# Altium PCB Mother  Board.PcbDoc (part 1 of 4)
Units mil, origin at the board's own origin, x right, y up, seen from the top; angles counter-clockwise.
Board outline 4560 x 3740 mil, 4 copper layers (Signal 1, GND, Power, Signal 2), stack 47.091 mil thick; 315 components, 464 nets, 1661 pads, 728 vias.
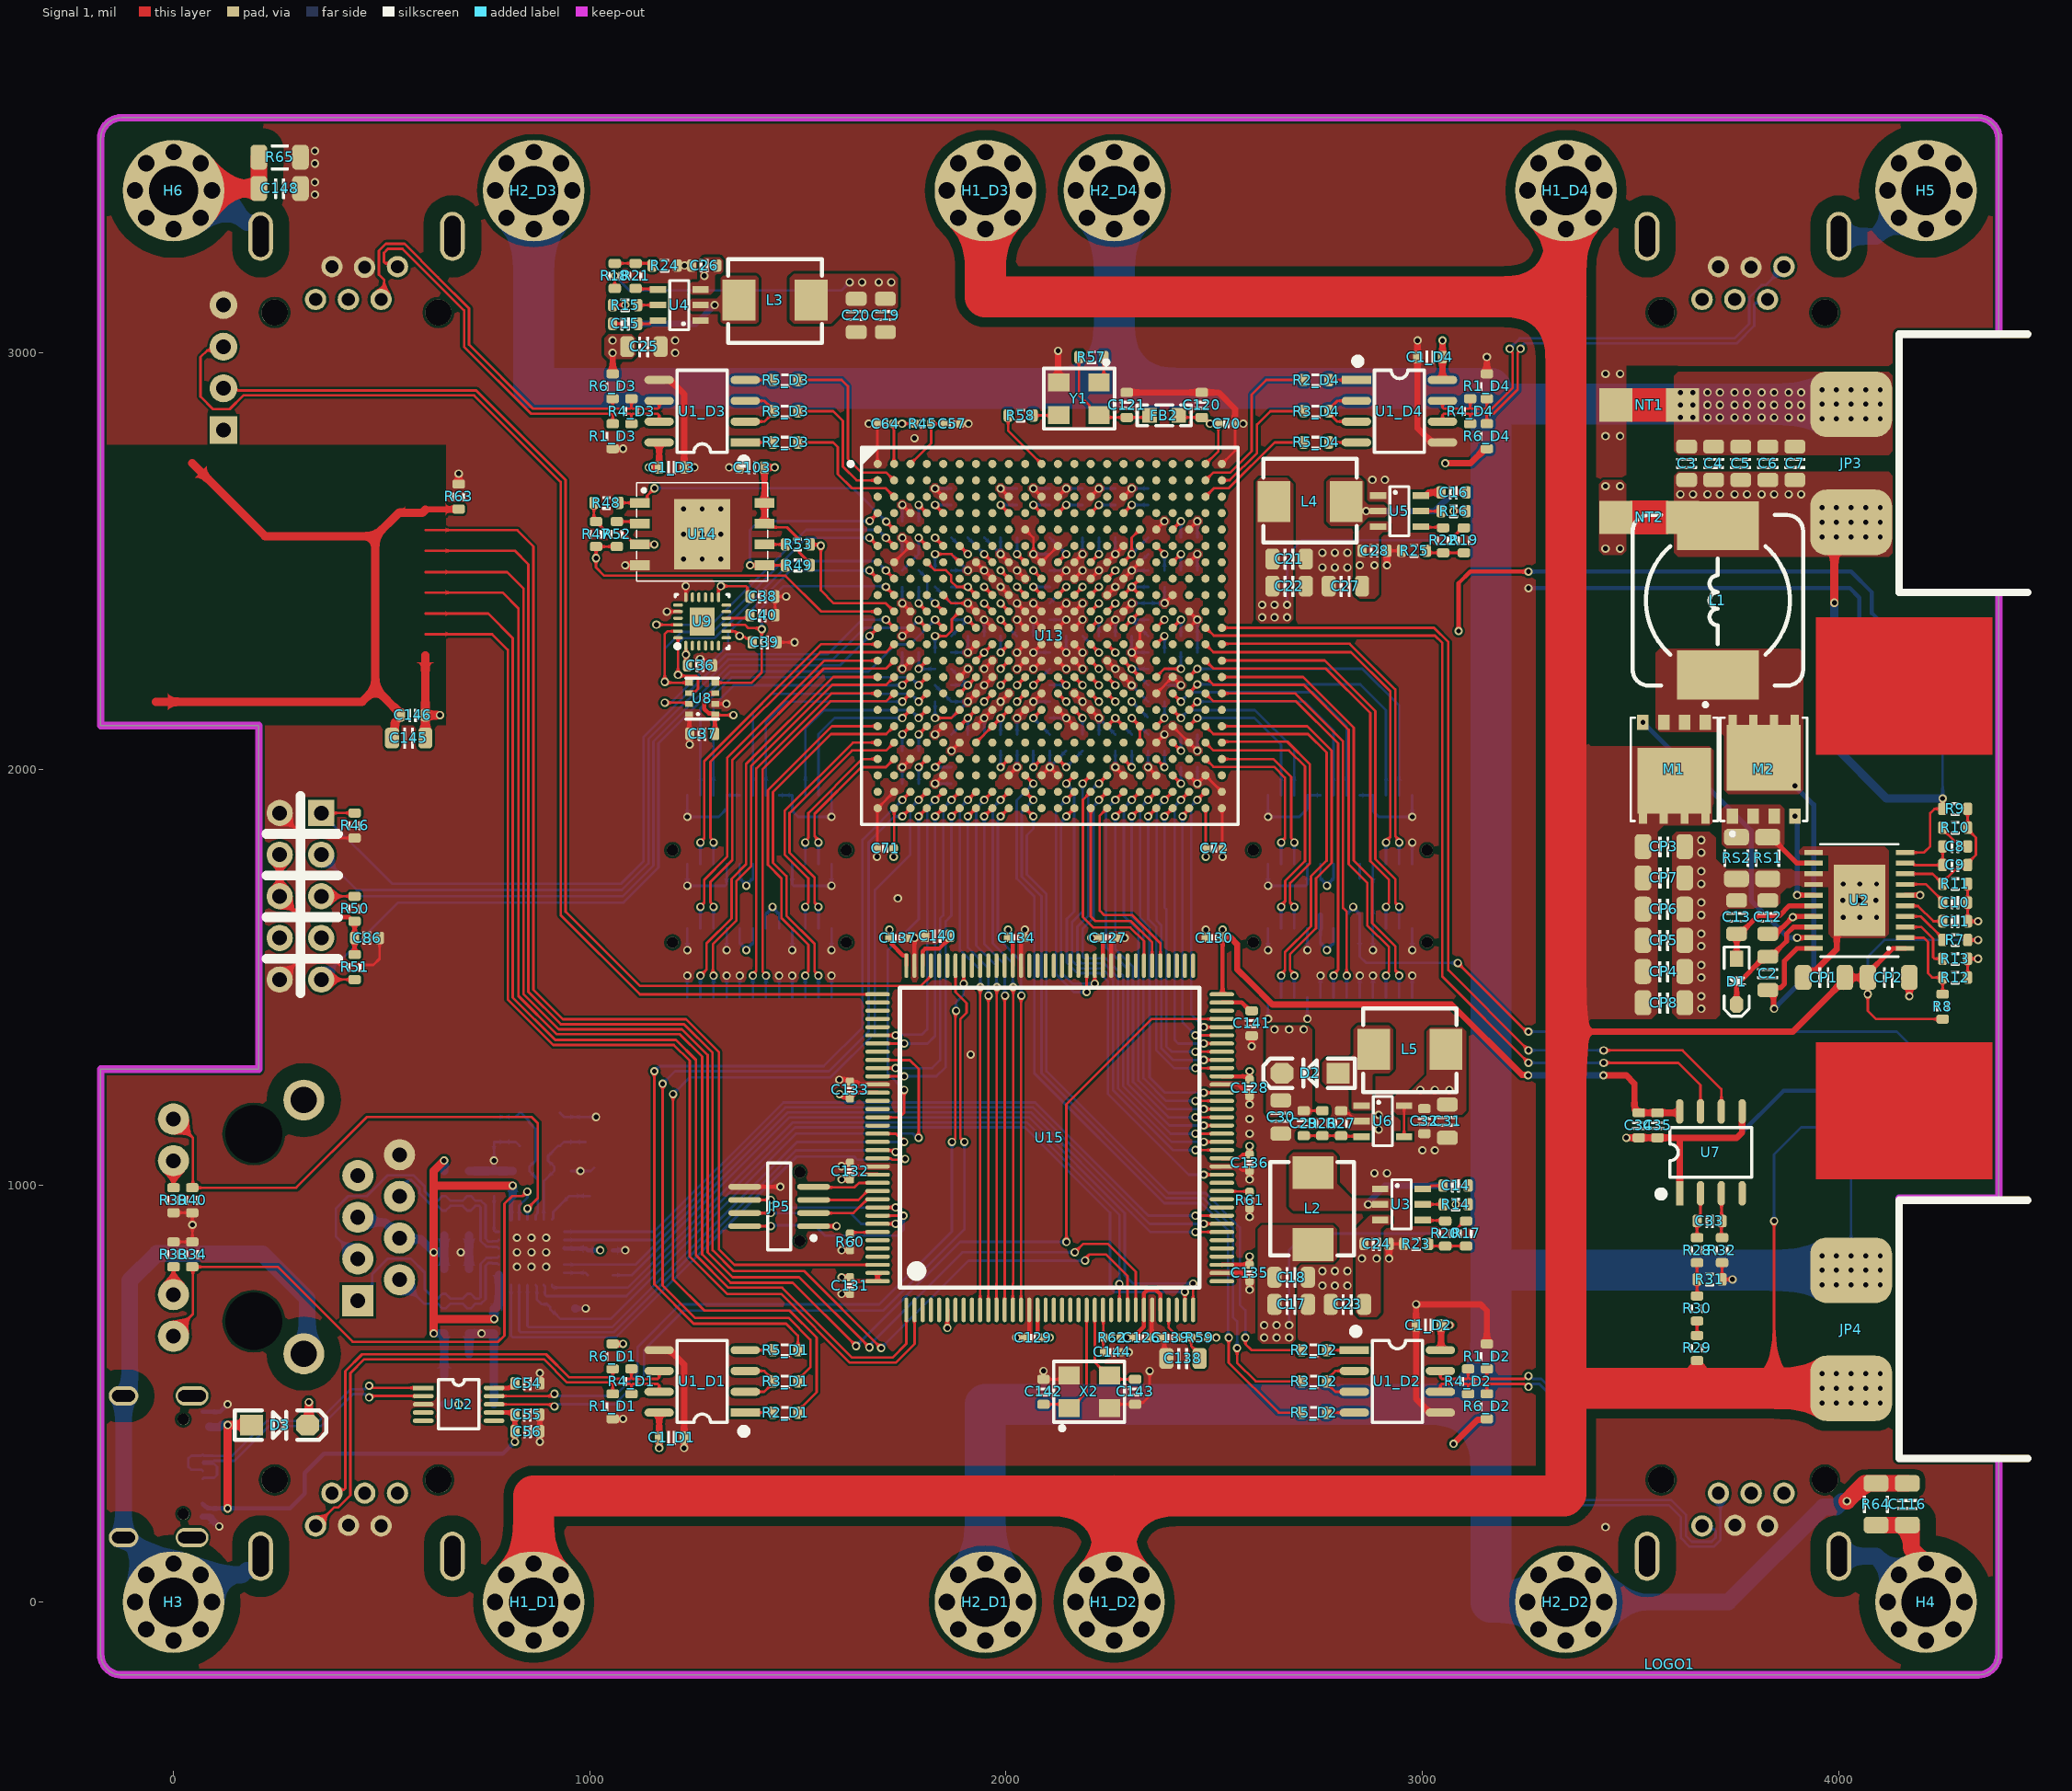
[diagram p0: Signal 1 view]
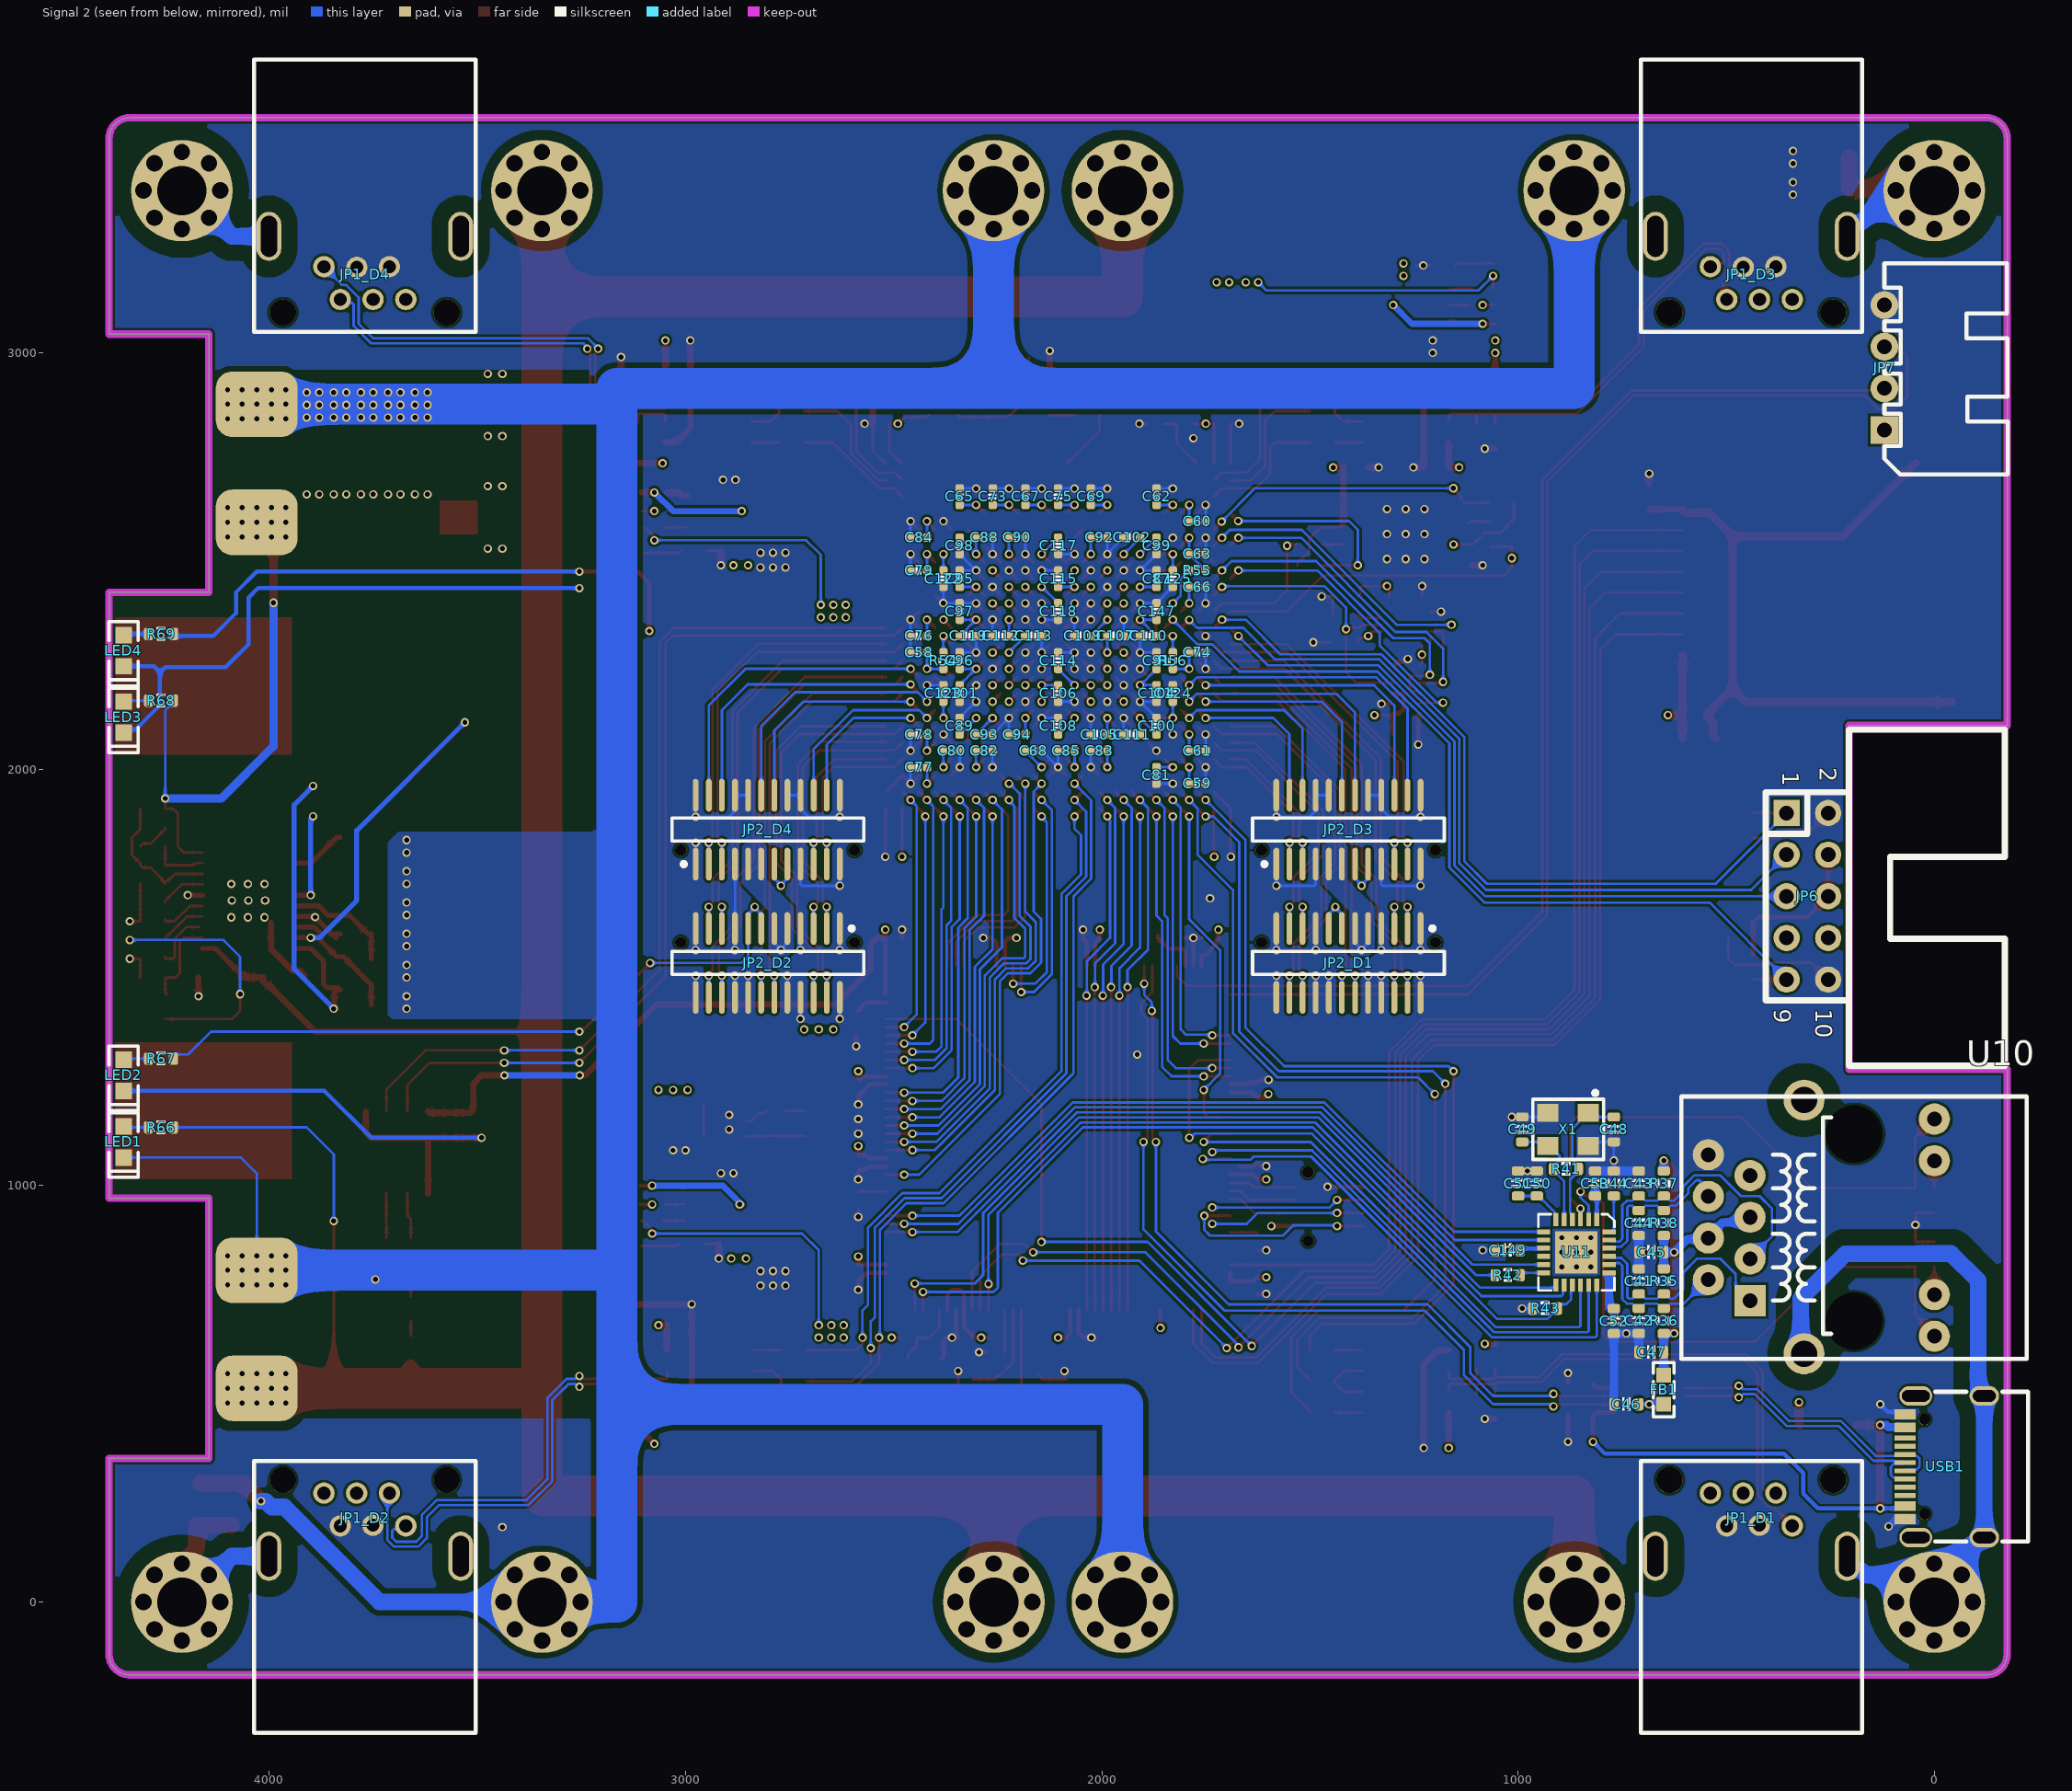
[diagram p1: Signal 2 view, seen from below]
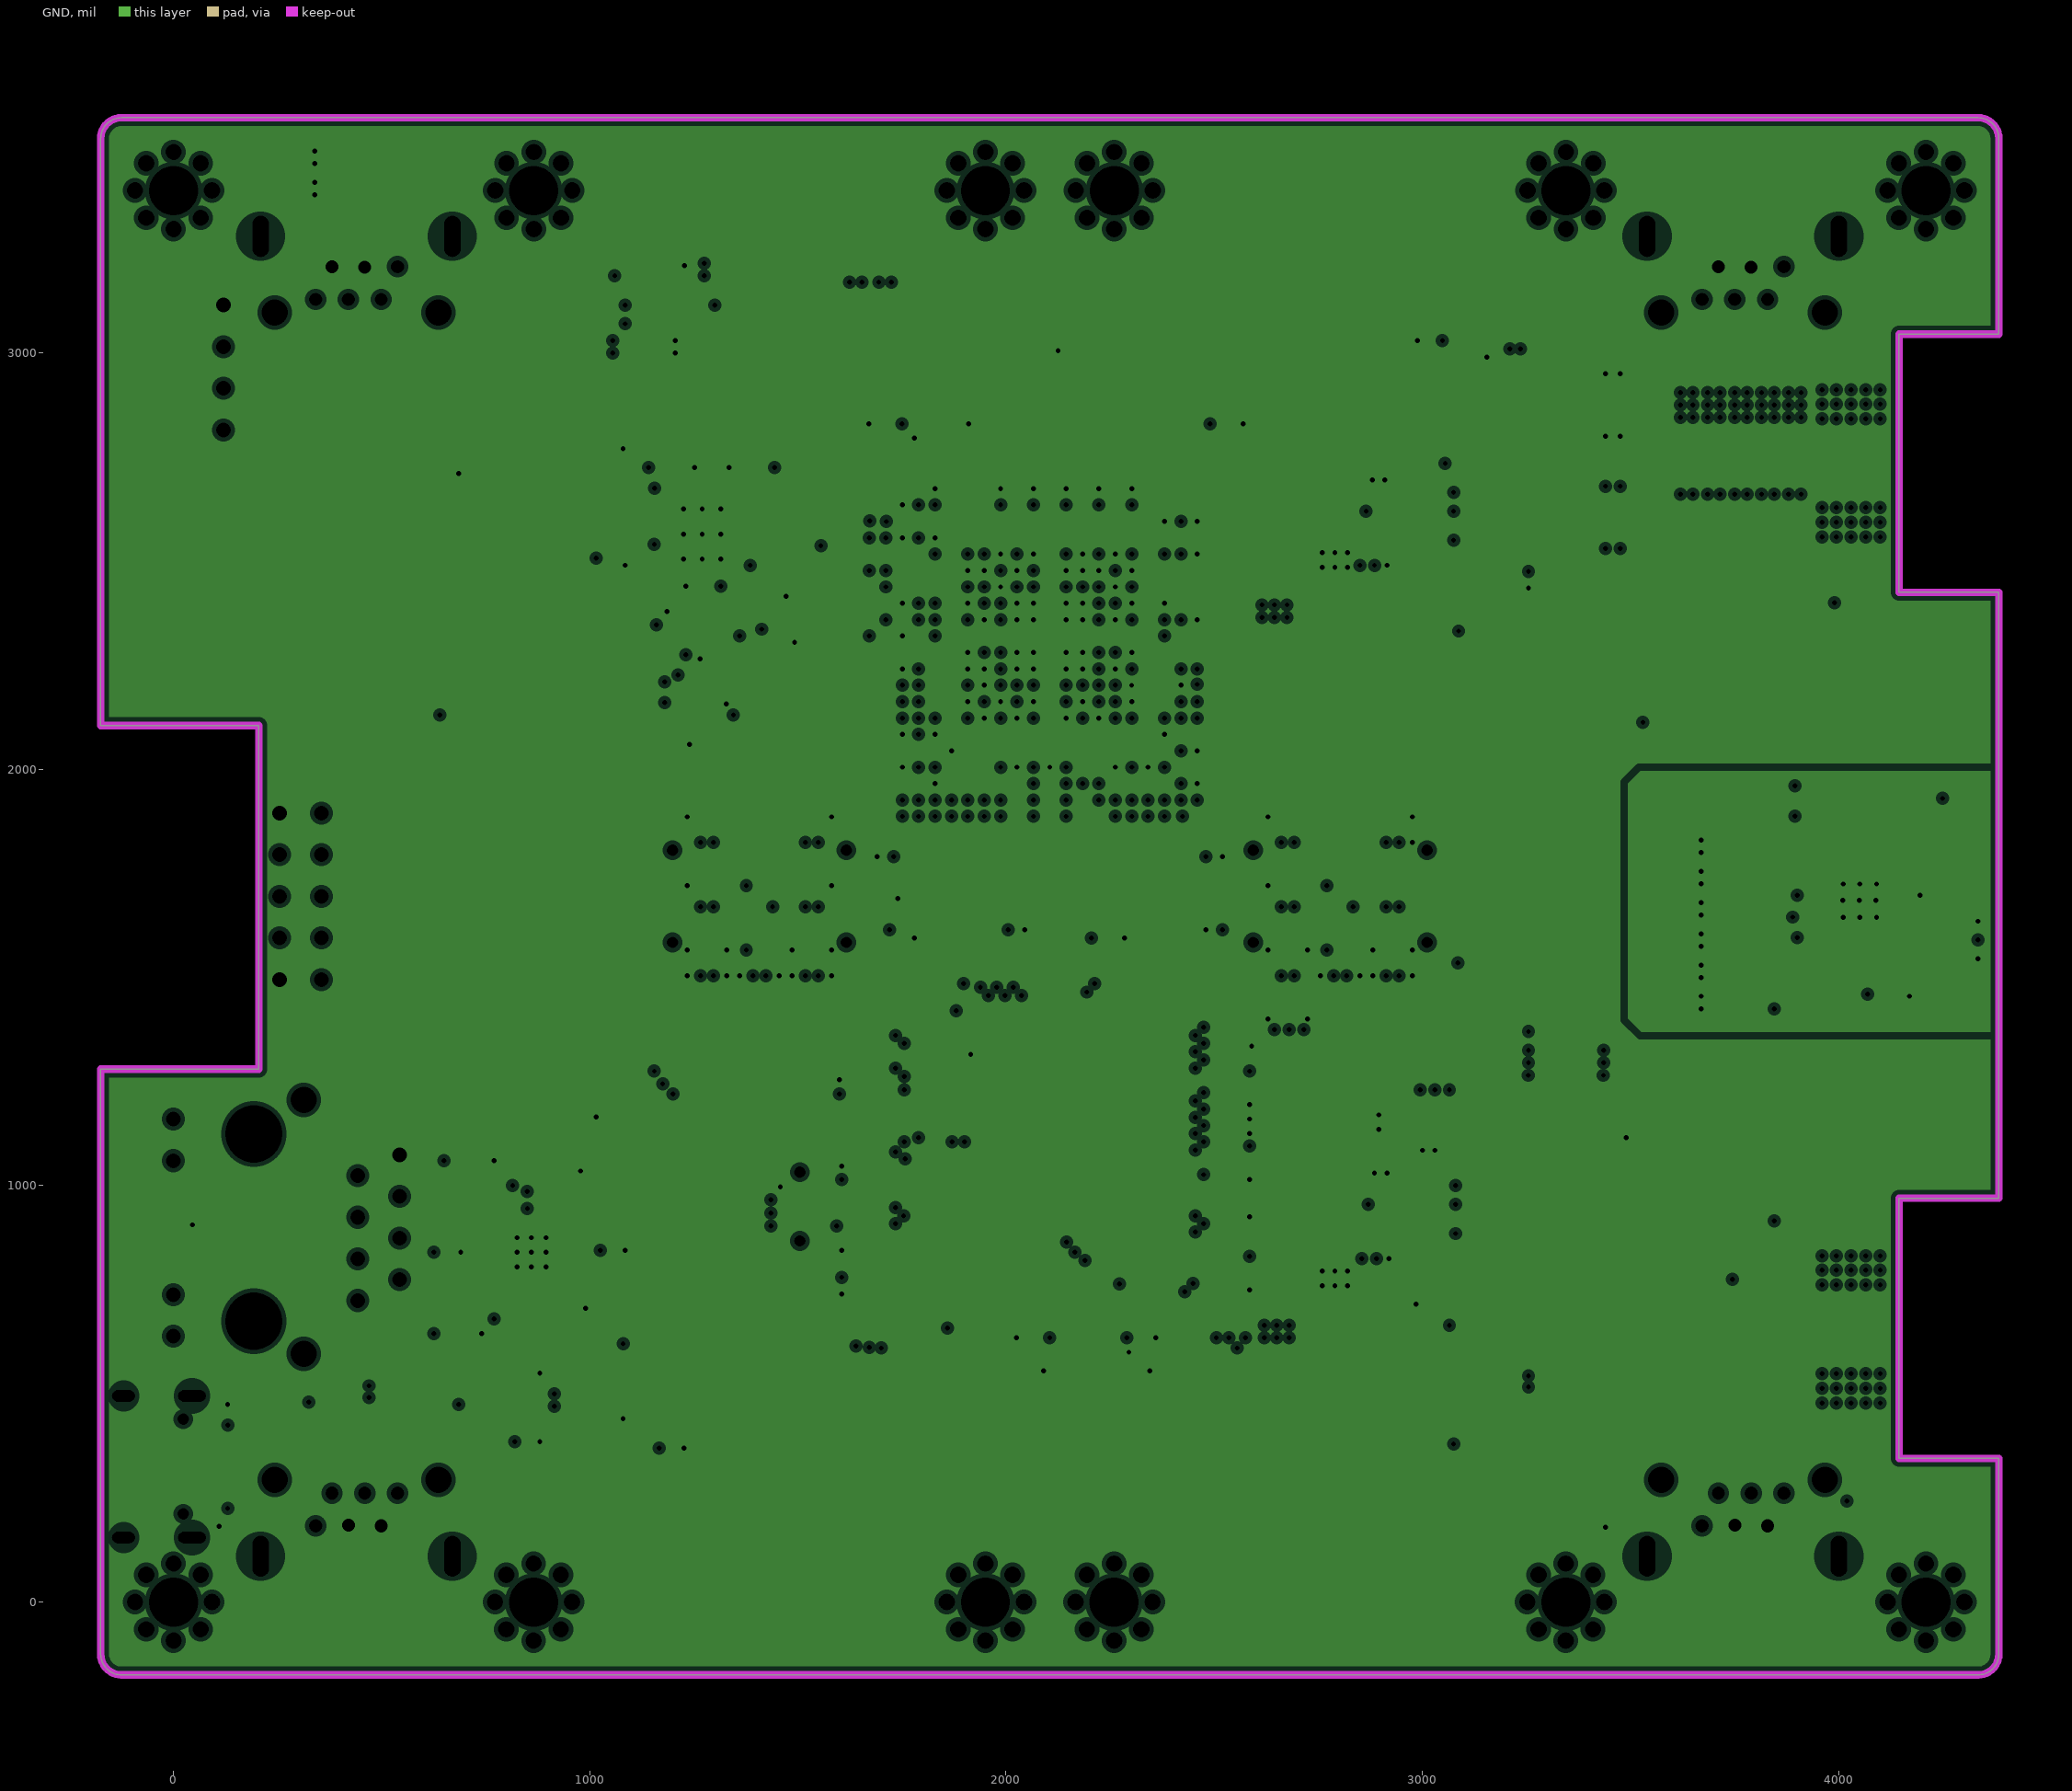
[diagram p2: GND, clearances drawn from the general rule]